# Allegro board HI3516ADMEB_VER_C_PCB.brd (continued)
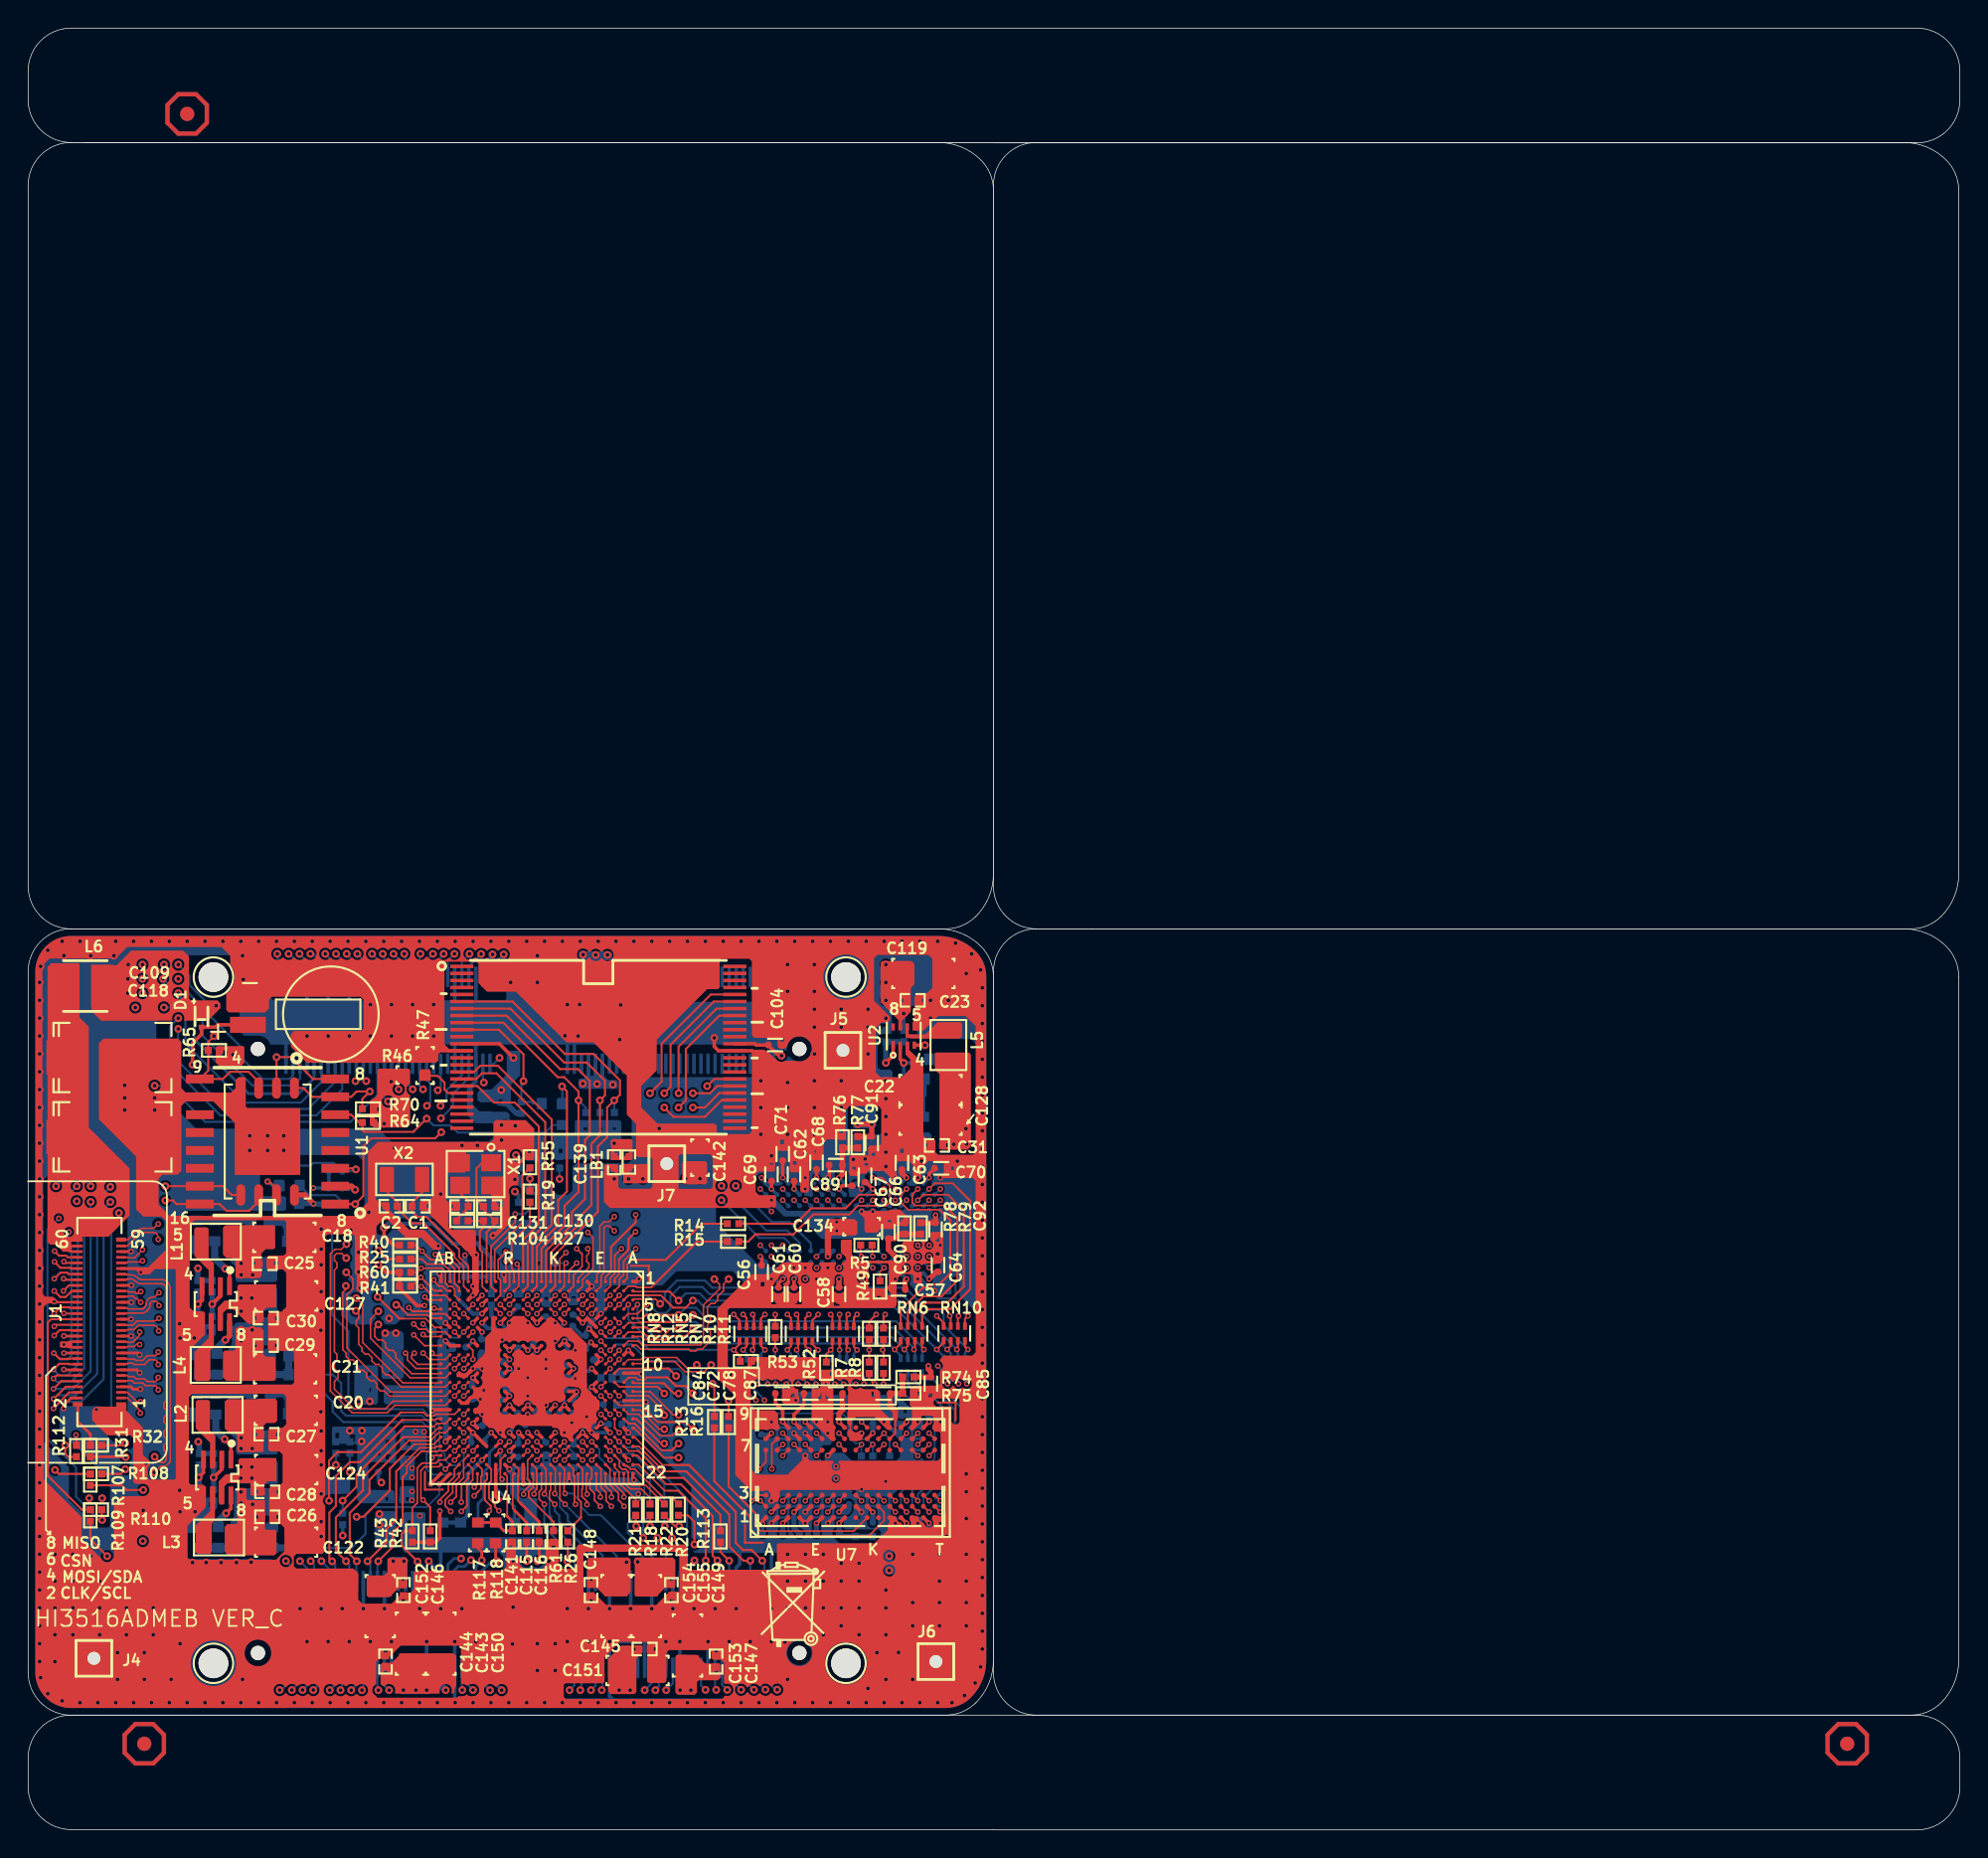
[diagram p0: board, top side]
## Routing (per net, layer and track width the routed paths; a pad name or vN(x,y) marks a point on that pad's centre or on a via; arc(x,y) is an arc through that point) (continued)
DDR3_DQ30: length 16.5
  TOP w0.127: U4.H1 38.43,39.73 v2(38.99,40.28)
  ART03 w0.127: v2(38.99,40.28) 39.24,40.54 51.08,40.54 51.69,41.15 52.43,41.15 v2(52.83,40.75)
  BOTTOM w0.13: U8.B8 v2(52.83,40.75)
DDR3_DQ31: length 22.4
  TOP w0.127: U4.G4 v2(39.41,36.68)
  ART03 w0.127: v2(52.83,43.95) 54.05,42.73 54.05,41.04 53.16,40.15 40.84,40.15 39.04,38.35 39.04,37.48 39.04,37.05 v2(39.41,36.68)
  BOTTOM w0.127: v2(52.83,43.95) 52.43,44.35 U8.A3
DDR3_DQS0_N: length 18.2
  TOP w0.114: U7.G3 v2(56.83,23.39) ; v1(45.21,28.47) 44.86,28.47 43.5,29.83 43.01,29.83 U4.A15
  ART03 w0.102: v1(45.21,28.47) 45.72,28.98 46.51,28.98 46.74,28.75 46.74,28.2 50.16,24.78 56.1,24.78 56.58,24.29 56.58,23.64 v2(56.83,23.39)
DDR3_DQS0_P: length 18.3
  TOP w0.114: v1(46.23,28.47) 45.77,28.01 44.91,28.01 43.38,29.54 42.65,29.54 U4.B15 ; U7.F3 v2(56.03,23.39)
  ART03 w0.102: v1(46.23,28.47) 46.33,28.47 46.43,28.37 46.43,28.07 50.03,24.47 55.98,24.47 56.28,24.17 56.28,23.64 v2(56.03,23.39)
DDR3_DQS1_N: length 13.9
  TOP w0.114: v1(46.23,29.49) 45.86,29.49 44.21,31.14 43,31.14 U4.A13 ; U7.B7 v2(53.63,27.39)
  ART06 w0.102: v2(53.63,27.39) 53.39,27.15 52.58,27.15 52.4,27.33 52.13,27.33 51.95,27.15 51.67,27.15 51.49,27.33 51.21,27.33 51.03,27.15 50.76,27.15 50.58,27.33 50.3,27.33 50.12,27.15 49.78,27.15 48.94,27.98 48.94,28.22 48.74,28.42 48.5,28.42 48.3,28.63 48.3,28.87 48.09,29.07 47.86,29.07 47.62,29.3 47.33,29.3 47.14,29.49 46.86,29.49 46.67,29.3 46.41,29.3 v1(46.23,29.49)
DDR3_DQS1_P: length 13.9
  TOP w0.114: U7.C7 v2(53.63,26.59) ; v1(45.21,29.46) 45.21,29.72 44.09,30.85 42.65,30.85 U4.B13
  ART06 w0.102: v2(53.63,26.59) 53.38,26.84 49.65,26.84 47.5,29 45.68,29 v1(45.21,29.46)
DDR3_DQS2_N: length 22.5
  TOP w0.114: v2(41.66,42.57) 41.31,42.91 41.05,42.91 40.92,42.78 40.92,39.58 40.72,39.38 40.72,38.64 U4.E2
  ART06 w0.102: v2(41.66,42.57) 42.02,42.93 43.43,42.93 43.66,43.16 55.68,43.16 56.58,44.06 56.58,44.49 v2(56.83,44.75)
  BOTTOM w0.124: U8.G3 v2(56.83,44.75)
DDR3_DQS2_P: length 22.5
  TOP w0.114: U4.E1 40.42,39 40.42,39.5 40.63,39.7 40.63,42.91 40.93,43.2 41.27,43.2 v2(41.66,43.58)
  ART06 w0.102: v2(56.03,44.75) 56.27,44.5 56.27,44.19 55.55,43.47 55.23,43.47 55.11,43.58 54.77,43.58 54.66,43.47 54.31,43.47 54.2,43.58 53.86,43.58 53.74,43.47 48.08,43.47 47.97,43.58 47.63,43.58 47.51,43.47 47.17,43.47 47.06,43.58 46.71,43.58 46.6,43.47 46.26,43.47 46.14,43.58 45.8,43.58 45.68,43.47 45.34,43.47 45.23,43.58 44.88,43.58 44.77,43.47 44.43,43.47 44.31,43.58 43.97,43.58 43.85,43.47 43.54,43.47 43.3,43.23 42.84,43.23 42.7,43.38 42.39,43.38 42.24,43.23 42.01,43.23 v2(41.66,43.58)
  BOTTOM w0.124: U8.F3 v2(56.03,44.75)
DDR3_DQS3_N: length 19.9
  TOP w0.114: U4.G1 39.1,38.98 39.1,39.22 39.85,39.97 39.85,40.25 39.7,40.4 39.7,40.8 39.85,40.95 39.85,41.22 v2(39.78,41.3)
  ART03 w0.102: v2(39.78,41.3) 39.78,41.58 39.92,41.72 40.24,41.72 40.46,41.5 40.7,41.5 40.92,41.72 41.15,41.72 41.37,41.5 41.61,41.5 41.83,41.72 42.33,41.72 42.47,41.58 42.91,41.58 43.05,41.72 43.43,41.72 43.83,42.12 44.15,42.12 44.36,41.91 44.6,41.91 44.82,42.12 45.06,42.12 45.28,41.91 45.52,41.91 45.73,42.12 45.97,42.12 46.19,41.91 46.43,41.91 46.65,42.12 46.89,42.12 47.1,41.91 47.35,41.91 47.56,42.12 47.8,42.12 48.02,41.91 48.26,41.91 48.48,42.12 48.72,42.12 48.93,41.91 49.17,41.91 49.39,42.12 49.63,42.12 49.85,41.91 50.09,41.91 50.3,42.12 50.55,42.12 50.76,41.91 51,41.91 51.22,42.12 52.01,42.12 52.18,41.96 52.47,41.96 52.64,42.12 52.88,42.12 53.07,41.93 53.07,41.66 52.95,41.55 v2(52.83,41.55)
  BOTTOM w0.124: U8.B7 v2(52.83,41.55)
DDR3_DQS3_P: length 20
  TOP w0.114: v2(39.78,42.46) 40.15,42.09 40.15,39.85 39.4,39.1 39.4,38.62 U4.G2
  ART03 w0.102: v2(53.63,41.55) 53.38,41.8 53.38,42.06 53.01,42.43 43.7,42.43 43.3,42.03 40.21,42.03 v2(39.78,42.46)
  BOTTOM w0.124: U8.C7 v2(53.63,41.55)
DDR3_ODT_0: length 16.2
  TOP w0.127: 51.1,23.08 51.69,22.5 51.69,21.61 52.07,21.23 58.67,21.23 U7.K1
  TOP w0.152: 51.1,23.08 49.78,24.4 R16.2
DDR3_ODT_0_HI3516A: length 11.2
  TOP w0.127: U4.D10 v2(41.36,33.43)
  TOP w0.152: R16.1 v1(49.78,30.5)
  ART06 w0.127: v1(49.78,30.5) 49.15,31.14 48.26,31.14 46.61,32.79 42,32.79 v2(41.36,33.43)
DDR3_ODT_1: length 15.1
  TOP w0.127: v2(60.03,46.35) 60.67,46.35 61.05,45.97 61.24,45.78 61.24,44.59 60.99,44.35 60.19,44.35 60.19,44.35 58.97,44.35 58.77,44.15
  TOP w0.152: 58.77,44.15 58.36,43.74 55.8,43.74 54.39,42.32 51.69,42.32 51.18,41.81 R15.2
  BOTTOM w0.127: U8.K1 v2(60.03,46.35)
DDR3_ODT_1_HI3516A: length 8.9
  TOP w0.127: 44.29,38.55 43.26,38.55 43.18,38.63 42.66,38.63 U4.B2
  TOP w0.152: 44.29,38.55 47.55,41.81 R15.1
DDR3_RAS_N_HI3516A: length 26
  TOP w0.127: U4.B3 42.67,37.99 44.96,37.99 45.14,37.82
  TOP w0.152: v2(64.58,34.14) 65.06,34.62 RN10.1 ; v1(47.24,37.61) 46.74,37.11 45.85,37.11 45.14,37.82
  BOTTOM w0.152: v1(47.24,37.61) 47.59,37.61 48.05,37.16 61.56,37.16 v2(64.58,34.14) 65.06,33.65 RN9.1
DDR3_RESET_N_HI3516A: length 18.4
  TOP w0.127: U4.B6 42.67,36.04 43.56,36.04 43.61,36.09 44.09,36.09
  TOP w0.152: v1(47.24,36.6) 46.74,36.09 44.09,36.09 ; RN7.1 57.16,34.24 v2(57.03,34.11) 56.73,33.8 R52.1
  ART06 w0.127: v1(47.24,36.6) 48.08,36.6 48.51,36.17 53.57,36.17 54.97,34.77 56.37,34.77 v2(57.03,34.11)
  BOTTOM w0.152: v2(57.03,34.11) 57.16,33.98 RN1.1
DDR3_WE_N_HI3516A: length 30
  TOP w0.127: U4.C4 v2(42.01,37.33)
  TOP w0.152: RN10.3 66.08,34.21 v2(66.01,34.14)
  BOTTOM w0.152: v2(42.01,37.33) 42.66,37.98 43.98,37.98 44.4,37.57 44.4,37.06 44.73,36.73 45.34,36.73 45.64,37.03 45.64,37.92 46.3,38.58 47.92,38.58 48.43,38.07 62.07,38.07 v2(66.01,34.14) 66.08,34.06 RN9.3
DDR3_ZQ: length 2.9
  TOP w0.127: U4.J2 38.1,38.62 38.1,40.16 v2(38.23,40.28)
  BOTTOM w0.127: R48.1 v2(38.23,40.28)
EPHY_CLK: length 5.8
  BOTTOM w0.152: R17.1 42.62,21.79 42.62,21.13 44.82,18.93 J2.88
ETH_RSTN: length 11.4
  TOP w0.127: U4.D20 v2(41.36,26.28)
  ART06 w0.127: v1(45.76,20.75) 45.76,22.06 43.38,24.43 42.95,24.43 42.49,24.89 42.49,25.15 v2(41.36,26.28)
  BOTTOM w0.152: J2.94 46.32,20.18 v1(45.76,20.75)
FLASH_RSTN: length 16.4
  TOP w0.152: v1(23.29,46.94) 23.11,46.94 23.04,47.01 U1.3
  ART03 w0.127: v1(26.33,52.62) 26.33,51.54 26,51.2 25.5,51.2 25.32,51.03 25.32,51.03 25.2,50.91 25.2,50.91 24.7,50.41 24.7,50.41 23.77,49.48 23.77,49.48 23.29,48.99 v1(23.29,46.94)
  BOTTOM w0.152: J3.33 26.32,52.64 v1(26.33,52.62) ; R132.2 20.09,47.21 20.27,47.39 21.73,47.39 C129.1 23.16,46.81 v1(23.29,46.94)
FLASH_TRIG: length 94.8
  TOP w0.127: 26.57,29.66 28.09,29.66 28.33,29.42 28.85,29.42 28.97,29.54 30.31,29.54 U4.Y15
  TOP w0.152: v2(3.4,28.06) 3.43,28.04 3.43,27.33 ; 26.57,29.66 26.47,29.66 23.65,26.85 22,26.85 21.39,26.24 v1(21.39,23.39)
  ART03 w0.127: v2(3.4,28.06) 3.67,28.33 3.67,30.46 3.84,30.62 3.84,43.13 2.9,44.07 2.9,57.48 6.4,60.98 8.33,60.98 9.4,62.05 10.11,62.05 v1(10.67,61.49)
  ART06 w0.127: v2(3.4,28.06) 4.01,27.45 4.01,25.22 3,24.2 3,22.73 4.32,21.41 9.55,21.41 10.62,20.34 17.42,20.34 20.24,23.16 21.16,23.16 v1(21.39,23.39)
  BOTTOM w0.152: v1(10.67,61.49) 11.46,60.7 11.46,60.04 12.85,58.65 12.85,57.91 15.11,55.65 15.11,54.91 16.66,53.36 18.57,53.36 18.82,53.62 J3.3
FOCUS_PI_OUT: length 65.8
  TOP w0.127: U4.AB4 28.92,37.01 v2(28.86,37.07)
  TOP w0.152: v1(6.91,27.48) 6.76,27.33 R32.2
  ART06 w0.127: v1(1.98,45.74) 6.43,50.19 19.46,50.19 20.59,49.06 24.1,49.06 29.96,43.2 29.96,41.13 29.87,41.04 29.87,39.55 28.86,38.53 v2(28.86,37.07)
  BOTTOM w0.152: v1(6.91,27.48) 5.9,28.49 5.9,43.97 6.43,44.5 6.43,45.87 5.51,46.78 3.02,46.78 v1(1.98,45.74)
GPIO0_2: length 53
  TOP w0.127: 26.67,26.63 27.44,27.41 28.83,27.41 U4.AB18
  TOP w0.152: J1.52 2.63,40.29 v2(2.54,40.38) ; 26.67,26.63 25.7,25.67 25.7,24.13 23.83,22.25 v1(23.34,22.25)
  ART06 w0.127: v1(23.34,22.25) 23.34,23.52 21.95,24.91 20.52,24.91 16.71,21.1 10.95,21.1 9.86,22.2 7.21,22.2 6.4,23.01 4.06,23.01 3.76,23.31 3.76,23.8 5.31,25.35 5.31,37.61 v2(2.54,40.38)
GPIO1: length 28.3
  TOP w0.127: U4.W7 v2(31.61,35.38)
  ART03 w0.127: v1(29.11,52.56) 30.44,52.56 30.94,52.07 34.59,52.07 36.65,50.01 36.65,45.11 31.09,39.55 31.09,37.21 31.42,36.88 31.42,36.47 31.22,36.27 31.22,35.77 v2(31.61,35.38)
  BOTTOM w0.152: v1(29.11,52.56) 29.32,52.77 J3.45
GPIO2: length 39.7
  TOP w0.127: v2(28.07,35.2) 28.21,35.06 U4.AB7
  ART03 w0.127: v2(28.07,35.2) 27.71,35.55 27.13,35.55 25.32,37.36 24.51,37.36 24.26,37.61 24.26,39.44 24,39.69 24,42.33 22.38,43.95 22.38,49.25 25.17,52.05 25.17,53.29 25.81,53.92 29.08,53.92 32.67,57.51 32.67,61.88 v1(33.01,62.22)
  BOTTOM w0.152: J3.58 32.32,61.53 v1(33.01,62.22)
GPIO3: length 24.2
  TOP w0.127: U4.AB6 28.88,35.71 28.25,36.34 26.67,36.34
  TOP w0.152: v1(24.84,37.87) 26.37,36.34 26.67,36.34
  ART03 w0.127: v1(25.58,51.76) 25.4,51.58 25.25,51.58 22.76,49.1 22.76,44.11 24.38,42.49 24.38,39.85 24.84,39.39 v1(24.84,37.87)
  BOTTOM w0.152: J3.29 25.32,53.67 25.28,53.62 25.28,52.06 v1(25.58,51.76)
GPIO4: length 24
  TOP w0.127: U4.AA5 29.67,36.67 28.67,36.67 28.49,36.85 27.3,36.85 v2(27.05,37.11)
  ART03 w0.127: v1(28.07,52.63) 27.73,52.29 27.73,50.54 26.52,49.32 25.62,49.32 24.18,47.88 24.18,45.18 27.05,42.31 v2(27.05,37.11)
  BOTTOM w0.152: v1(28.07,52.63) 27.82,52.87 J3.39
GPIO5: length 23.8
  TOP w0.127: U4.AB5 28.62,36.36 28.38,36.6 27,36.6 26.67,36.93
  TOP w0.152: 26.67,36.93 26.37,37.23 26.24,37.23 v1(26.16,37.31)
  ART03 w0.127: v1(26.16,37.31) 26.16,42.64 23.8,45.01 23.8,48.08 25.43,49.71 26.19,49.71 27.33,50.85 v1(27.33,52.63)
  BOTTOM w0.152: J3.35 26.82,53.14 v1(27.33,52.63)
GPIO12_7: length 39
  TOP w0.127: U4.AB8 28.18,34.41 v2(27.41,35.18)
  TOP w0.152: v2(1.87,40.37) 2.29,39.94 3,39.94 3.05,39.89 J1.50
  ART06 w0.127: v2(27.41,35.18) 27.41,35.32 25.58,37.14 25.58,41.25 23.68,43.15 22.15,43.15 21.21,44.09 16,44.09 15.2,44.89 11.14,44.89 10.09,43.84 8.61,43.84 7.68,42.91 2.74,42.91 2.36,42.54 2.36,40.86 v2(1.87,40.37)
HI3516A_ALARM_IN: length 22
  TOP w0.127: v2(30.03,23.29) 30.43,23.68 30.43,24.51 30.95,25.03 30.95,26.27 U4.W20
  ART06 w0.127: v1(22.96,9.93) 23.51,10.47 23.73,10.47 26.35,13.1 26.35,15.64 29.05,18.34 29.05,21.3 29.64,21.89 29.64,22.9 v2(30.03,23.29)
  BOTTOM w0.152: v1(22.96,9.93) 23.32,10.29 J2.21
HI3516A_ALARM_OUT: length 15.2
  TOP w0.127: 26.67,27.28 27.05,27.66 28.61,27.66 29.17,28.22 29.65,28.22 U4.AA17
  TOP w0.152: 26.67,27.28 24.26,24.87 24.26,23.92 22.86,22.53 22.86,19.59 v1(23.36,19.09)
  BOTTOM w0.152: J2.22 23.32,19.05 v1(23.36,19.09)
I2C2_SCL: length 23.8
  TOP w0.127: U4.AB21 29.18,25.8 28.18,25.8 27.91,25.53 27.91,23.59 v2(28.07,23.44)
  TOP w0.152: R42.2 28.57,22.93 v2(28.07,23.44)
  ART06 w0.127: v2(28.07,23.44) 28.21,23.3 28.21,22.1 27.84,21.73 27.84,20.47 27.18,19.81 27.18,17.53 25.97,16.32 25.97,14.36 25.1,13.48 25.1,12.82 v1(22.2,9.93)
  BOTTOM w0.152: J2.17 22.32,10.05 v1(22.2,9.93)
I2C2_SDA: length 12.3
  TOP w0.127: U4.AA20 29.66,26.29 29.18,26.29 28.96,26.06 27.99,26.06 27.66,25.73 27.66,23.24 27.3,22.88 27.3,22.37
  TOP w0.152: 27.3,22.37 R43.2 26.77,21.26 26.54,21.03 26.54,20.21 v1(27.68,19.07)
  BOTTOM w0.152: J2.42 28.32,18.49 27.74,19.07 v1(27.68,19.07)
I2S_BCLK_TX: length 100.3
  TOP w0.127: U4.Y6 v2(30.31,36.03)
  ART03 w0.127: v1(7.62,58.44) 7.29,58.11 7.29,57.93 7.48,57.74 7.48,57.56 7.3,57.38 7.12,57.38 6.93,57.57 6.75,57.57 6.57,57.39 6.57,57.21 6.76,57.02 6.76,56.84 6.58,56.66 6.4,56.66 6.21,56.85 6.03,56.85 5.05,55.88 5.05,46.53 5.36,46.23 5.36,30.91 5.64,30.64 5.64,25.52 7.21,23.94 7.21,20.15 12.66,14.7 13.86,14.7 14.99,13.56 16.64,13.56 v1(20.27,9.94)
  ART06 w0.127: v2(30.31,36.03) 29.53,36.81 29.53,38.67 30.25,39.39 30.25,40.88 30.34,40.97 30.34,43.36 24.26,49.44 20.82,49.44 19.68,50.57 12.01,50.57 7.62,54.96 v1(7.62,58.44)
  BOTTOM w0.152: v1(20.27,9.94) 20.82,10.49 J2.11
I2S_MCLK: length 99.8
  ART03 w0.127: v1(21.44,9.93) 21.44,10.77 21.59,10.92 22.14,10.92 22.26,10.79 22.26,10.53 22.39,10.4 22.64,10.4 22.77,10.53 22.77,10.79 22.9,10.92 23.15,10.92 23.28,10.79 23.28,10.53 23.41,10.4 23.66,10.4 23.79,10.53 23.79,10.79 23.91,10.92 24.17,10.92 24.3,10.79 24.3,10.53 24.42,10.4 24.68,10.4 24.8,10.53 24.8,10.79 24.93,10.92 25.18,10.92 25.31,10.79 25.31,10.53 25.44,10.4 25.69,10.4 25.82,10.53 25.82,10.79 25.95,10.92 26.2,10.92 26.33,10.79 26.33,10.53 26.45,10.4 26.71,10.4 26.84,10.53 26.84,10.79 26.96,10.92 27.23,10.92 27.36,11.05 27.36,11.28 27.18,11.45 20.91,11.45 20.79,11.33 20.79,10.72 20.66,10.59 20.41,10.59 20.28,10.72 20.28,11.33 20.15,11.45 19.32,11.45 16.47,14.3 16.29,14.3 15.96,13.97 15.78,13.97 15.62,14.12 15.62,14.35 15.93,14.66 15.93,14.84 15.7,15.08 15.3,15.08 15.17,14.95 15.17,14.68 15.05,14.55 14.79,14.55 14.67,14.68 14.67,14.95 14.54,15.08 12.82,15.08 7.59,20.3 7.59,21.09 7.72,21.22 8.59,21.22 8.71,21.35 8.71,21.55 8.53,21.73 7.72,21.73 7.59,21.85 7.59,24.41 8,24.82 8,25 7.82,25.18 7.64,25.18 7.17,24.71 6.99,24.71 6.05,25.65 6.05,30.77 5.74,31.07 5.74,42.62 5.87,42.75 6.17,42.75 6.3,42.87 6.3,43.13 6.17,43.25 5.87,43.25 5.74,43.38 5.74,43.71 5.87,43.84 v1(6.45,43.84)
  ART06 w0.127: v2(28.07,35.95) 27.5,36.52 27.5,37.8 26.34,38.96 26.34,42.47 24.45,44.36 24.01,44.36 23.74,44.08 23.74,44.08 23.62,43.96 22.83,43.96 20.79,46.01 19.88,46.01 18.92,45.06 16.18,45.06 15.57,45.67 10.39,45.67 9.93,45.21 8.58,45.21 7.21,43.84 v1(6.45,43.84)
  BOTTOM w0.127: v2(28.07,35.95) 28.62,35.4 R33.2
  BOTTOM w0.152: v1(21.44,9.93) 21.82,10.31 J2.15
I2S_SD_RX: length 99.9
  TOP w0.127: U4.Y7 v2(30.31,35.38)
  ART03 w0.127: v1(17.88,9.94) 17.4,9.94 17.27,10.06 17.27,10.28 17.14,10.41 16.89,10.41 16.76,10.28 16.76,10.06 16.63,9.94 16.38,9.94 16.25,10.06 16.25,10.28 16.13,10.41 15.87,10.41 15.74,10.28 15.74,10.06 15.62,9.94 14.81,9.94 14.68,10.06 14.68,10.19 14.55,10.31 14.3,10.31 14.17,10.19 14.17,10.06 14.04,9.94 12.69,9.94 11.24,11.39 11.24,11.57 11.42,11.76 11.42,11.94 11.24,12.12 11.06,12.12 10.88,11.93 10.7,11.93 10.52,12.11 10.52,12.29 10.71,12.48 10.71,12.66 10.53,12.84 10.35,12.84 10.16,12.65 9.98,12.65 9.73,12.9 9.73,13.7 9.86,13.83 11.34,13.83 11.47,13.95 11.47,14.18 11.32,14.34 9.86,14.34 9.73,14.46 9.73,14.79 9.86,14.92 10.26,14.92 10.39,15.05 10.39,15.25 10.21,15.43 9.86,15.43 9.73,15.55 9.73,15.95 6.07,19.61 6.07,19.79 5.92,19.94 4.8,19.94 4.67,20.06 4.67,20.32 4.8,20.45 5.92,20.45 6.07,20.6 6.07,20.85 5.94,20.98 4.09,20.98 3.94,21.13 3.94,21.41 4.06,21.54 5.94,21.54 6.07,21.66 6.07,22.37 5.94,22.5 4.11,22.5 3.99,22.63 3.99,22.88 4.17,23.06 5.97,23.06 6.07,23.16 6.07,23.47 4.06,25.48 4.06,30.31 4.22,30.46 4.22,43.36 3.45,44.12 v1(3.45,44.68)
  ART06 w0.127: v1(3.45,44.68) 4.14,43.99 5.89,43.99 6.25,44.35 7.16,44.35 9.04,46.23 15.62,46.23 16.28,45.57 18.8,45.57 19.62,46.39 21.22,46.39 22.59,45.02 24.37,45.02 26.72,42.66 26.72,39.22 27.75,38.18 27.75,37.12 29.42,35.46 30.23,35.46 v2(30.31,35.38)
  BOTTOM w0.152: J2.3 18.82,10.76 18,9.94 v1(17.88,9.94)
I2S_SD_TX: length 104.2
  TOP w0.127: U4.Y5 v2(30.31,36.68)
  ART03 w0.127: v1(18.74,9.94) 17.75,10.93 15.77,10.93 14.81,11.88 14.81,12.55 13.55,13.81 12.45,13.81 6.45,19.81 6.45,23.63 4.88,25.2 4.88,28.89 4.45,29.32 4.45,30.15 4.6,30.31 4.6,43.63 3.96,44.27 3.96,57.07 6.86,59.97 7.62,59.97 v1(8.13,60.47)
  ART06 w0.127: v1(8.13,60.47) 7.59,59.94 7.59,59.23 8.15,58.67 8.15,54.97 12.17,50.95 19.96,50.95 21.09,49.82 24.42,49.82 25.29,48.94 26.31,48.94 30.72,44.54 30.72,41.04 30.63,40.96 30.63,39.23 29.92,38.51 29.92,37.08 v2(30.31,36.68)
  BOTTOM w0.152: v1(18.74,9.94) 19.32,10.52 J2.5
I2S_WS_TX: length 101.6
  TOP w0.127: U4.W5 v2(30.96,36.68)
  ART03 w0.127: v1(19.5,9.94) 17.94,11.5 15.73,11.5 15.19,12.04 15.19,12.26 15.19,12.82 13.83,14.19 12.63,14.19 6.83,19.99 6.83,23.79 5.26,25.36 5.26,30.48 4.98,30.76 4.98,46.02 4.67,46.33 4.67,56.31 7.39,59.03 7.7,59.03 v1(8.13,59.46)
  ART06 w0.127: v2(30.96,36.68) 30.68,36.96 30.68,38.74 31.42,39.48 31.42,41.01 31.1,41.32 31.1,44.7 26.3,49.5 25.27,49.5 24.57,50.2 21.32,50.2 20.19,51.33 12.33,51.33 8.64,55.03 8.64,58.95 v1(8.13,59.46)
  BOTTOM w0.152: J2.9 20.32,10.75 v1(19.5,9.94)
IR_LED_CONTROL: length 36.7
  TOP w0.127: 26.67,29.13 28.93,29.13 29.01,29.21 U4.AB16
  TOP w0.152: R109.2 4.42,20.65 v1(5.61,19.45) ; v1(21.61,19.08) 21.41,19.28 21.41,22.55 21.87,23.01 21.87,25.14 22.86,26.13 23.59,26.13 26.58,29.13 26.67,29.13
  ART06 w0.127: v1(5.61,19.45) 5.71,19.56 16.66,19.56 17.78,18.44 20.96,18.44 v1(21.61,19.08)
  BOTTOM w0.152: J2.16 21.82,18.87 v1(21.61,19.08)
IRCUT_CONTROL_1: length 43.9
  TOP w0.127: U4.AA7 29.65,35.39 28.47,35.39 28.28,35.58 27.78,35.58 v2(27.41,35.95)
  TOP w0.152: v2(2.54,36.7) 2.55,36.69 J1.34
  ART06 w0.127: v2(27.41,35.95) 26.66,36.7 26.66,37.5 25.96,38.2 25.96,41.41 23.84,43.53 22.5,43.53 21.15,44.89 19.37,44.89 19.02,44.55 16.08,44.55 15.34,45.29 11,45.29 9.93,44.22 8.45,44.22 7.52,43.29 2.58,43.29 1.4,42.11 1.4,37.41 1.68,37.13 2.11,37.13 v2(2.54,36.7)
IRCUT_CONTROL_2: length 73.8
  TOP w0.127: U4.W4 v2(31.61,37.33)
  TOP w0.152: v2(1.85,36.7) 2.29,37.13 2.9,37.13 2.94,37.09 J1.36
  ART03 w0.127: v2(1.85,36.7) 1.37,37.18 1.37,43.66 2.51,44.8 2.51,57.66 6.91,62.05 7.57,62.05 v1(8.13,61.49)
  ART06 w0.127: v2(31.61,37.33) 31.22,37.73 31.22,38.76 32.22,39.76 32.22,41.02 31.64,41.6 31.64,44.74 25.7,50.67 21.56,50.67 20.5,51.74 12.46,51.74 9.12,55.08 9.12,61.01 8.64,61.49 v1(8.13,61.49)
JTAG_EN: length 8
  TOP w0.127: 34.62,43.33 34.62,43.18 32.9,41.46 32.9,38.64 U4.T2
  TOP w0.152: v2(34.62,43.76) 34.62,43.33
  BOTTOM w0.152: R54.2 35.66,44.14 35.28,43.76 v2(34.62,43.76)
JTAG_TCK: length 19.5
  TOP w0.127: U4.Y18 v2(30.31,27.58)
  ART06 w0.127: v2(30.31,27.58) 29.93,27.96 29.21,27.96 28.18,26.93 26.58,26.93 25.58,25.93 25.58,21.55 24.37,20.34 20.56,20.34 v1(19.32,19.1)
  BOTTOM w0.152: v1(19.32,19.1) 19.82,18.6 J2.8
JTAG_TDI: length 12.7
  TOP w0.127: U4.AA19 29.67,26.94 29.15,26.94 29.11,26.9 27.94,26.9 27.11,26.07 27.11,26.06 26.91,25.85 26.91,25.35 26.67,25.11
  TOP w0.152: 26.67,25.11 26.62,25.05 26.62,21.84 25.92,21.15 25.92,20.13 v1(24.88,19.09)
  BOTTOM w0.152: J2.28 24.82,19.03 v1(24.88,19.09)
JTAG_TDO: length 21.1
  TOP w0.127: U4.W18 v2(30.96,27.58)
  ART06 w0.127: v1(18.32,19.11) 20.62,21.41 22.73,21.41 22.94,21.21 24,21.21 24.43,21.64 24.43,25.38 26.44,27.38 28.25,27.38 29.08,28.22 30.32,28.22 v2(30.96,27.58)
  BOTTOM w0.152: J2.4 18.82,18.61 v1(18.32,19.11)
JTAG_TMS: length 12.6
  TOP w0.127: 26.67,25.99 27.84,27.15 28.94,27.15 29.04,27.26 U4.AB19
  TOP w0.152: 26.67,25.99 26.16,25.48 26.16,22.07 25.47,21.38 25.47,20.44 v1(24.12,19.09)
  BOTTOM w0.152: v1(24.12,19.09) 24.32,18.89 J2.26
JTAG_TRSTN: length 15.5
  TOP w0.127: U4.AB17 29.14,28.56 28.5,27.91 26.67,27.91
  TOP w0.152: 26.67,27.91 26.66,27.91 23.8,25.06 23.8,24.13 21.87,22.2 21.87,19.82 v1(22.6,19.09)
  BOTTOM w0.152: v1(22.6,19.09) 22.82,18.87 J2.20
LIGHT_RESISTOR: length 93.5
  TOP w0.203: v1(6.93,26.49) 6.91,26.52 R31.2 ; U4.V3 v2(32.26,37.98)
  ART03 w0.203: v1(10.67,59.46) 9.8,59.46 8.92,58.57 8.92,56.97 6.35,54.4 6.35,47.01 7.51,45.86 7.51,42.33 6.76,41.58 6.76,31.82 7.49,31.09 7.49,27.05 v1(6.93,26.49)
  ART06 w0.203: v1(10.67,59.46) 10.67,58.49 9.73,57.55 9.73,55.29 12.52,52.5 20.88,52.5 22.12,51.25 25.95,51.25 32.21,45 32.21,41.7 32.54,41.37 32.54,38.69 32.26,38.41 v2(32.26,37.98)
  BOTTOM w0.203: J3.9 20.32,53.41 19.23,52.32 15.67,52.32 11.81,56.18 11.81,58.16 10.67,59.31 v1(10.67,59.46)
MDCK: length 3
  TOP w0.152: v1(49.82,19.13) 49.2,19.75 R113.1
  BOTTOM w0.152: J2.108 v1(49.82,19.13)
MDIO: length 12.3
  TOP w0.127: U4.D18 v2(41.36,27.58)
  ART06 w0.127: v2(41.36,27.58) 40.97,27.19 40.97,25.98 42.85,24.1 42.85,23.8 44.73,21.92 v1(44.73,20.75)
  BOTTOM w0.152: J2.90 45.32,19.93 44.73,20.52 v1(44.73,20.75)
MIPI0_CKM/VI_DAT4: length 34.7
  TOP w0.114: U4.Y10 v2(30.31,32.78) ; J1.21 7.04,34.29 7.1,34.35 7.54,34.35 7.71,34.52 7.89,34.52 v2(7.92,34.49)
  ART06 w0.102: v2(30.31,32.78) 30.35,32.74 30.35,32.6 30.26,32.51 29.38,32.51 arc(29.09,32.45) 28.85,32.29 arc(28.68,32.18) 28.49,32.14 22.68,32.14 arc(22.42,32.09) 22.2,31.94 21.8,31.54 arc(21.62,31.42) 21.41,31.38 20.29,31.38 arc(19.96,31.31) 19.68,31.12 19.28,30.72 19.11,30.72 18.94,30.72 18.72,30.5 18.72,30.34 18.72,30.34 18.72,30.17 18.25,29.7 arc(18.09,29.59) 17.9,29.55 16.38,29.55 16.16,29.77 15.92,29.77 15.71,29.55 15.46,29.55 15.25,29.77 15.01,29.77 14.79,29.55 14.55,29.55 14.33,29.77 14.09,29.77 13.88,29.55 13.64,29.55 13.42,29.77 13.18,29.77 12.96,29.55 12.72,29.55 12.5,29.77 12.26,29.77 12.05,29.55 11.73,29.55 11.38,29.2 11.25,29.2 11.09,29.2 10.91,29.02 10.91,28.73 10.69,28.51 10.25,28.51 10.06,28.7 9.79,28.7 9.6,28.51 9.33,28.51 9.14,28.7 8.88,28.7 8.69,28.51 8.46,28.51 arc(8.38,28.53) 8.31,28.57 8.22,28.66 7.3,29.58 arc(7.14,29.81) 7.09,30.1 7.09,30.4 7.32,30.63 7.32,30.86 7.09,31.09 7.09,31.49 7.34,31.75 7.34,31.98 7.09,32.23 7.09,32.53 7.32,32.76 7.32,33.12 7.09,33.35 7.09,33.86 7.72,34.49 v2(7.92,34.49)
MIPI0_CKP/VI_DAT5: length 34.8
  TOP w0.114: v2(7.92,35.38) 7.92,35.15 7.59,34.82 7.42,34.64 7.06,34.64 7.01,34.69 J1.23 ; U4.W10 v2(30.96,32.78)
  ART06 w0.102: v2(30.96,32.78) 30.38,32.2 29.36,32.2 arc(29.21,32.17) 29.07,32.08 29.06,32.07 arc(28.8,31.9) 28.49,31.84 22.68,31.84 arc(22.54,31.81) 22.41,31.72 22.01,31.32 arc(21.74,31.14) 21.41,31.07 20.29,31.07 arc(20.08,31.03) 19.9,30.91 19.79,30.8 18.47,29.48 arc(18.21,29.31) 17.9,29.25 11.86,29.25 10.82,28.2 8.46,28.2 arc(8.26,28.24) 8.09,28.36 8,28.45 7.09,29.36 arc(6.86,29.7) 6.78,30.1 6.78,33.98 7.75,34.95 arc(7.88,35.15) v2(7.92,35.38)
MIPI0_D0M/VI_DAT0: length 35
  TOP w0.114: U4.AB10 29.31,33.08 27.68,33.08 27.59,33.17 27.24,33.52 27.24,33.68 v2(27.45,33.88) ; J1.9 7.03,31.89 7.06,31.93 7.38,31.93 7.55,31.76 8.14,31.76 8.33,31.57 8.94,31.57 arc(9.16,31.48) v2(9.25,31.26)
  ART06 w0.102: v2(27.45,33.88) 27.01,33.45 16.39,33.45 arc(16.31,33.43) 16.25,33.39 16.05,33.19 arc(15.98,33.15) 15.91,33.13 10.98,33.13 arc(10.9,33.12) 10.84,33.07 10.8,33.04 arc(10.78,33) 10.77,32.96 10.77,32.78 arc(10.79,32.71) 10.83,32.64 10.86,32.61 arc(10.9,32.58) 10.94,32.57 14.71,32.57 arc(15.07,32.42) 15.23,32.05 15.23,31.9 arc(15.23,31.86) 15.22,31.82 arc(15.05,31.51) 14.71,31.38 13.49,31.38 13.4,31.29 13.02,31.29 12.93,31.38 12.57,31.38 12.46,31.26 12.05,31.26 11.94,31.38 11.64,31.38 11.5,31.24 11.18,31.24 11.04,31.38 10.72,31.38 10.58,31.24 10.26,31.24 9.88,31.62 9.37,31.62 9.25,31.49 v2(9.25,31.26)
MIPI0_D0P/VI_DAT1: length 34.9
  TOP w0.114: v2(26.82,33.88) 26.95,33.75 26.95,33.4 27.38,32.97 27.56,32.79 29.67,32.79 U4.AA10 ; J1.11 7.06,32.29 7.13,32.22 7.51,32.22 7.67,32.05 8.26,32.05 8.45,31.86 8.95,31.86 arc(9.16,31.95) v2(9.25,32.15)
  ART06 w0.102: v2(26.82,33.88) 26.7,33.75 16.39,33.75 arc(16.2,33.72) 16.03,33.61 15.86,33.44 10.98,33.44 arc(10.79,33.4) 10.62,33.29 10.59,33.25 arc(10.5,33.12) 10.46,32.96 10.46,32.78 arc(10.5,32.59) 10.61,32.42 10.65,32.39 arc(10.78,32.3) 10.94,32.27 14.71,32.27 arc(14.86,32.2) 14.92,32.05 14.92,31.9 arc(14.92,31.88) 14.92,31.87 arc(14.85,31.74) 14.71,31.68 10.25,31.68 10.01,31.93 9.47,31.93 v2(9.25,32.15)
MIPI0_D1M/VI_HS: length 33.8
  TOP w0.114: U4.AB9 29.29,33.72 28.87,33.72 v2(28.7,33.88) ; J1.3 7.05,30.69 7.98,29.77 v2(7.98,29.61)
  ART06 w0.102: v2(7.98,29.61) 8.22,29.86 8.59,29.86 8.76,29.69 9.07,29.69 9.25,29.86 9.47,29.86 9.64,29.69 9.93,29.69 10.1,29.86 10.39,29.86 10.56,29.69 10.84,29.69 11.01,29.86 11.34,29.86 11.92,30.44 12.22,30.44 12.36,30.3 12.63,30.3 12.77,30.44 13.03,30.44 13.17,30.3 13.44,30.3 13.58,30.44 13.85,30.44 13.99,30.3 14.25,30.3 14.39,30.44 14.66,30.44 14.8,30.3 15.07,30.3 15.21,30.44 15.59,30.44 arc(15.67,30.45) 15.73,30.5 15.99,30.76 arc(16.03,30.82) 16.05,30.9 16.05,32.13 arc(16.11,32.28) 16.26,32.34 16.43,32.34 arc(16.58,32.28) 16.64,32.13 16.64,30.55 arc(16.68,30.39) 16.77,30.25 16.84,30.18 arc(17,30.07) 17.2,30.03 17.25,30.03 arc(17.43,30.07) 17.59,30.17 17.64,30.23 arc(17.75,30.39) 17.79,30.59 17.79,32.46 arc(17.85,32.6) 18,32.66 18.19,32.66 arc(18.34,32.6) 18.4,32.46 18.4,31.97 arc(18.43,31.81) 18.52,31.68 18.6,31.59 arc(18.77,31.48) 18.96,31.44 19.01,31.44 arc(19.2,31.48) 19.37,31.59 19.43,31.65 arc(19.54,31.81) 19.58,32.01 19.58,32.53 19.61,32.56 arc(19.61,32.56) 19.61,32.56 19.64,32.59 arc(19.71,32.63) 19.79,32.65 19.94,32.65 arc(20.02,32.63) 20.09,32.59 arc(20.13,32.52) 20.15,32.44 20.15,32.38 arc(20.18,32.22) 20.27,32.08 20.31,32.05 arc(20.47,31.94) 20.66,31.9 20.83,31.9 arc(21.01,31.94) 21.16,32.04 21.21,32.08 arc(21.3,32.22) 21.33,32.38 21.33,32.43 arc(21.35,32.51) 21.39,32.58 21.39,32.59 arc(21.46,32.63) 21.55,32.65 27.74,32.65 arc(28.01,32.7) 28.25,32.86 28.35,32.96 arc(28.48,33.16) 28.53,33.4 28.53,33.71 v2(28.7,33.88)
MIPI0_D1P/VI_VS: length 33.7
  TOP w0.114: J1.5 7.06,31.09 7.17,30.98 7.17,30.98 7.73,30.43 v2(7.98,30.43) ; v2(28.07,33.88) 28.52,33.42 29.65,33.42 U4.AA9
  ART06 w0.102: v2(28.07,33.88) 28.23,33.72 28.23,33.47 arc(28.19,33.28) 28.09,33.13 28.03,33.08 arc(27.9,32.99) 27.74,32.95 21.55,32.95 arc(21.35,32.91) 21.18,32.8 21.18,32.8 arc(21.06,32.63) 21.02,32.43 21.02,32.38 arc(21.02,32.34) 20.99,32.3 20.94,32.25 arc(20.89,32.22) 20.83,32.2 20.66,32.2 arc(20.59,32.22) 20.52,32.26 20.49,32.3 arc(20.46,32.34) 20.45,32.38 20.45,32.44 arc(20.41,32.64) 20.3,32.8 arc(20.14,32.91) 19.94,32.95 19.79,32.95 arc(19.59,32.91) 19.42,32.8 19.4,32.78 arc(19.39,32.78) 19.39,32.77 19.33,32.71 arc(19.29,32.65) 19.27,32.57 19.27,32.01 arc(19.26,31.93) 19.21,31.87 19.15,31.81 arc(19.09,31.76) 19.01,31.75 18.96,31.75 arc(18.88,31.76) 18.82,31.81 18.73,31.89 arc(18.71,31.93) 18.7,31.97 18.7,32.46 arc(18.55,32.82) 18.19,32.96 18,32.96 arc(17.64,32.82) 17.49,32.46 17.49,30.59 arc(17.47,30.51) 17.43,30.44 17.38,30.39 arc(17.32,30.35) 17.25,30.34 17.2,30.34 arc(17.12,30.35) 17.05,30.4 16.98,30.47 arc(16.96,30.51) 16.95,30.55 16.95,32.13 arc(16.8,32.5) 16.43,32.65 16.26,32.65 arc(15.9,32.5) 15.74,32.13 15.74,30.98 arc(15.73,30.94) 15.71,30.91 15.58,30.77 arc(15.54,30.75) 15.5,30.74 11.79,30.74 11.21,30.17 8.24,30.17 v2(7.98,30.43)